# Allegro board Coral-Dev-Board-Mini-layout-Allegro.brd (continued)
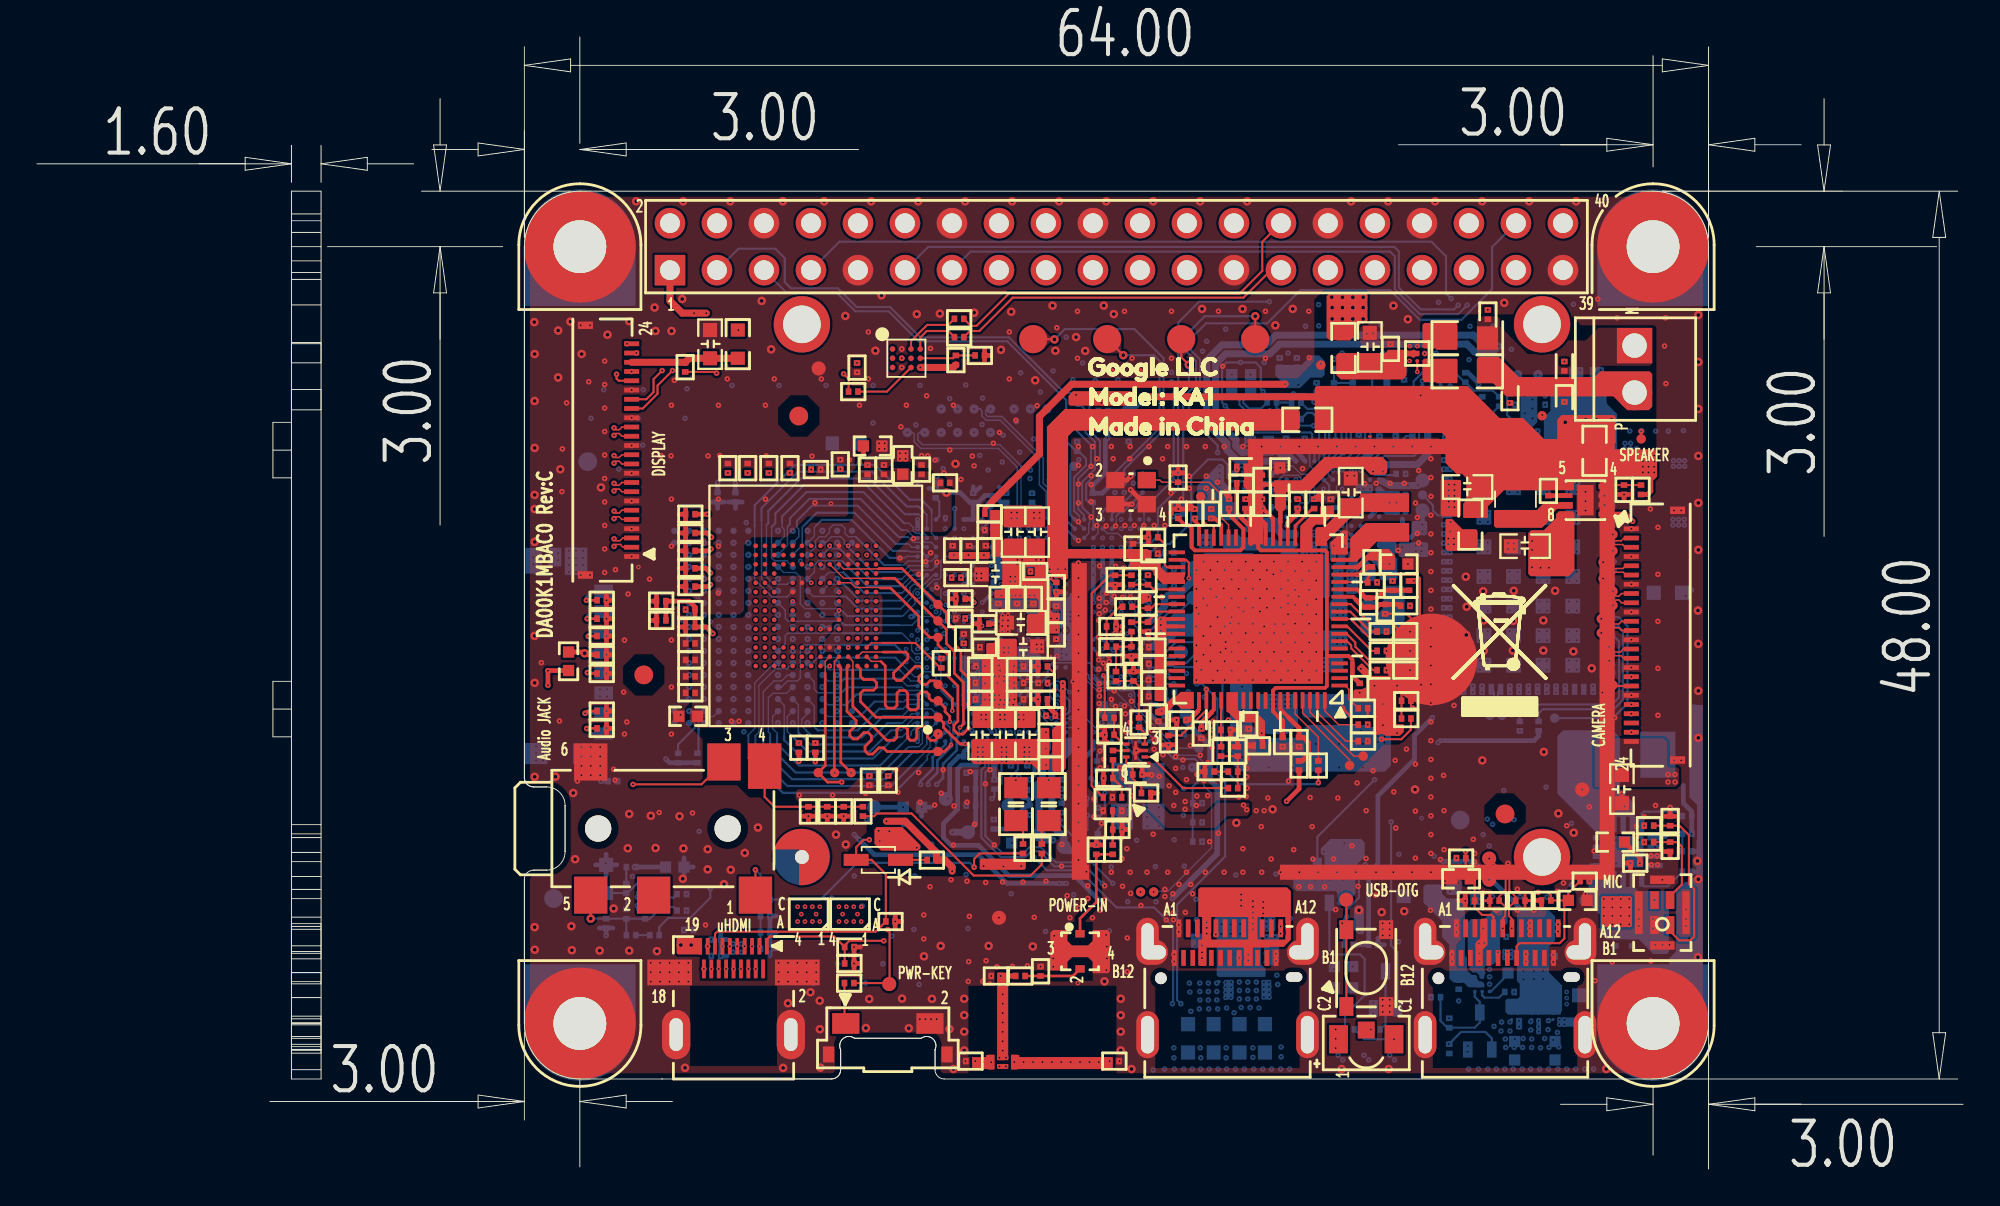
[diagram p0: board, top side]
## Routing (per net, layer and track width the routed paths; a pad name or vN(x,y) marks a point on that pad's centre or on a via; arc(x,y) is an arc through that point) (continued)
LOUT_N_RC: length 10.2
  L03_IN1 w0.089: v9(64.57,42.95) 64.87,42.65 65.71,42.65 66.11,43.05 69.18,43.05 73.53,43.05 v2(74.17,43.69)
LOUT_P: length 27.1
  L08_IN4 w0.102: v9(67.05,41.02) 66.77,41.3 65.38,41.3 62.82,38.73 62.82,30.35 62.62,30.14 62.62,29.54 62.17,29.09 62.17,28.09 60.98,26.9 60.14,26.9 59.62,27.43 58.19,27.43 57.76,27 57.76,26.74 57.26,26.24 56.92,26.24 56.79,26.37 56.51,26.37 56.46,26.32 55.79,26.32 v10(54.59,25.12)
  BOTTOM w0.114: v9(67.05,41.02) 66.99,41.08 C215.2 67,41.44 R30.2
LOUT_P_C: length 2.2
  BOTTOM w0.114: C215.1 66.16,41.12 65.5,41.12 65.2,41.42 65.2,41.56 R32.1
LOUT_P_R1: length 4.1
  BOTTOM w0.114: R30.1 68.64,41.11 69.01,41.11 69.83,40.28 69.83,38.88 69.54,38.58 U1.E1
LOUT_P_RC: length 9.4
  L03_IN1 w0.089: v9(65.59,42.95) 65.88,43.24 69.26,43.24 69.26,43.24 73.29,43.24 74.2,44.15 v2(74.2,44.49)
MIC_CLK: length 9.6
  TOP w0.114: U16.3 88.26,12.85 88.75,12.36 89.36,12.36 89.56,12.56 89.56,15.14 89.28,15.42 89.28,18.05 88.77,18.56 C106.1 R141.1
MIC_CLK_R0: length 38.5
  L03_IN1 w0.089: v2(86.86,18.56) 87.16,18.26 87.16,17.55 86.91,17.29 85.08,17.29 84.09,16.3 83.75,16.3 83.31,15.87 83.31,15.49 82.01,14.18 80.58,14.18 79.87,14.89 79.86,14.9 72.7,14.9 70.47,17.12 70.17,17.12 v6(69.9,17.39)
  L07_IN3 w0.084: v7(58.8,21.1) 58.83,21.1 59.08,20.85 64.21,20.85 67.43,17.62 69.67,17.62 v6(69.9,17.39)
  L08_IN4 w0.089: v7(58.8,21.1) 58.5,21.1 57.76,21.84 56.42,21.84 55.14,23.12 v10(55.09,23.12)
MIC_DAT: length 4.8
  TOP w0.114: R134.1 C114.1 88.64,17.67 88.9,17.42 88.9,15.39 88.26,14.76 U16.4
MIC_DAT_R0: length 37.2
  L03_IN1 w0.089: v2(86.86,17.67) 85.18,17.67 84.04,16.53 83.69,16.53 83.11,15.95 83.11,15.6 81.91,14.4 80.65,14.4 79.98,15.06 79.96,15.09 72.79,15.09 v6(70.46,17.42)
  L07_IN3 w0.084: v7(59.13,21.36) 59.41,21.08 64.24,21.08 67.49,17.83 70.05,17.83 v6(70.46,17.42)
  L08_IN4 w0.089: v7(59.13,21.36) 59.08,21.41 58.47,21.41 57.84,22.04 56.57,22.04 55.09,23.52 v10(55.09,23.62)
MICBIAS0: length 43.6
  TOP w0.254: C522.2 86.63,16.84 v2(86.63,16.54)
  L03_IN1 w0.254: v2(87.41,14.54) 87.43,14.55 87.43,15.66 86.67,16.42 86.67,16.43 86.63,16.47 v2(86.63,16.54) 86.6,16.5 85.48,16.5 83.67,14.7 83.24,14.7 82.25,13.71 80.36,13.71 79.66,14.4 78.32,14.4 78.06,14.14 77.7,14.14 77.45,14.4 72.19,14.4 71.7,14.88 67.87,14.88 66.96,15.79 64.75,15.79 63.4,14.45 61.28,14.45 60.73,15 60.73,16.85 v6(60.4,17.19)
  L07_IN3 w0.254: v6(60.4,17.19) 59.33,17.19 56.24,20.28 56.24,21.05 56.72,21.53 56.72,22.99 v10(56.59,23.12)
MICBIAS1: length 33.3
  L07_IN3 w0.254: v10(56.56,23.62) 56.23,23.29 56.23,22.95 56.36,22.82 56.36,21.9 v9(55.52,21.05) 55.52,20.51 55.51,20.5 55.51,20.45 53.54,18.49 48.56,18.49 43.89,13.82 36.41,13.82 35.95,13.36 34.28,13.36 33.73,13.9 33.73,14.88 v9(32.28,16.33)
  BOTTOM w0.254: R112.2 C521.2
MICBIAS1_R: length 0.9
  BOTTOM w0.114: R111.2 31.85,15.69 31.85,15.69 31.85,15.95 31.85,15.95 R112.1
MIPI_CSI_CLK_N: length 50.8
  TOP w0.081: v2(84.64,32.81) 84.98,32.47 85.71,32.47 85.85,32.61 J12.5
  L03_IN1 w0.071: v15(50.8,36.67) 51.12,36.67 51.18,36.72 51.18,37.74 54.1,40.66 75.79,40.66 76.17,40.28 81.4,40.28 85.5,36.18 85.5,32.79 85.12,32.41 84.6,32.41 84.55,32.46 84.55,32.72 v2(84.64,32.81)
  L08_IN4 w0.071: v10(53.09,33.62) 53.27,33.62 53.36,33.52 53.36,33.45 53.28,33.37 52.81,33.37 51.49,34.69 51.49,35.41 50.62,36.28 50.62,36.6 50.69,36.67 v15(50.8,36.67)
MIPI_CSI_CLK_P: length 50.8
  TOP w0.081: v2(84.64,31.92) 84.98,32.26 85.74,32.26 85.89,32.11 J12.6
  L03_IN1 w0.071: v2(84.64,31.92) 84.92,32.2 85.2,32.2 85.7,32.7 85.7,36.27 81.49,40.48 76.25,40.48 75.87,40.86 54.01,40.86 50.97,37.82 50.97,37.56 v15(50.8,37.23)
  L08_IN4 w0.071: v10(53.09,33.12) 53.06,33.15 53.04,33.17 52.72,33.17 51.28,34.61 51.28,35.33 50.41,36.2 50.41,36.84 v15(50.8,37.23)
MIPI_CSI_D0_N: length 45.7
  TOP w0.081: v2(85.17,34.31) 85.17,34.04 85.25,33.97 85.62,33.97 85.77,34.11 J12.2
  L03_IN1 w0.071: v2(85.17,34.31) 85.17,34.06 85.08,33.97 84.89,33.97 84.7,33.78 84.5,33.78 84.43,33.85 84.43,35.21 84.48,35.27 84.93,35.27 85.16,35.49 85.16,35.82 84.93,36.05 84.48,36.05 84.43,36.11 84.43,36.7 81.78,39.34 81.24,39.34 81.13,39.45 81.13,39.64 80.9,39.87 80.58,39.87 80.35,39.64 80.35,39.45 80.24,39.34 79.98,39.34 79.88,39.44 79.88,39.7 79.62,39.95 75.92,39.95 75.55,40.32 54.23,40.32 51.69,37.78 51.69,37.55 51.51,37.37 51.51,37.06 v15(51.9,36.67)
  L08_IN4 w0.071: v10(52.09,35.12) 52.01,35.19 52.01,35.81 51.72,36.1 51.72,36.5 v15(51.9,36.67)
MIPI_CSI_D0_P: length 45.8
  TOP w0.081: J12.3 85.84,33.61 85.69,33.76 85.25,33.76 85.17,33.69 v2(85.17,33.42)
  L03_IN1 w0.071: v2(85.17,33.42) 85.17,33.67 85.08,33.76 84.98,33.76 84.79,33.57 84.42,33.57 84.22,33.77 84.22,35.29 84.4,35.47 84.85,35.47 84.96,35.58 84.96,35.74 84.85,35.85 84.4,35.85 84.22,36.02 84.22,36.61 81.7,39.14 81.16,39.14 80.93,39.37 80.93,39.56 80.82,39.67 80.66,39.67 80.55,39.56 80.55,39.37 80.32,39.14 79.9,39.14 79.68,39.36 79.68,39.61 79.54,39.75 75.84,39.75 75.47,40.12 54.32,40.12 51.9,37.7 v15(51.9,37.23)
  L08_IN4 w0.071: v15(51.9,37.23) 51.52,36.85 51.52,36.02 51.81,35.73 51.81,35.05 52.09,34.77 v10(52.09,34.62)
MIPI_CSI_D1_N: length 45.9
  TOP w0.081: v2(85.17,31.24) 85.17,31.14 85.35,30.97 85.49,30.97 85.64,31.11 J12.8
  L03_IN1 w0.071: v2(85.17,31.24) 85.17,31.04 85.08,30.96 84.89,30.96 84.65,30.71 84.09,30.71 83.89,30.91 83.89,31.52 84.2,31.82 84.2,32.96 83.89,33.27 83.89,36.48 81.61,38.76 79.8,38.76 79.14,39.42 75.62,39.42 75.32,39.72 54.39,39.72 52.44,37.77 52.44,37.64 52.27,37.47 52.27,37.04 v15(52.64,36.67)
  L08_IN4 w0.071: v15(52.64,36.67) 52.56,36.67 52.47,36.58 52.47,36.1 52.54,36.03 52.54,34.66 v10(52.59,34.62)
MIPI_CSI_D1_P: length 46
  TOP w0.081: v2(85.17,30.47) 85.17,30.59 85.35,30.76 85.49,30.76 85.64,30.61 J12.9
  L03_IN1 w0.071: v2(85.17,30.47) 85.17,30.66 85.08,30.75 84.98,30.75 84.73,30.51 84,30.51 83.69,30.82 83.69,31.6 83.99,31.91 83.99,32.88 83.69,33.18 83.69,36.39 81.53,38.55 79.72,38.55 79.06,39.21 75.54,39.21 75.23,39.52 54.48,39.52 52.64,37.68 v15(52.64,37.23)
  L08_IN4 w0.071: v15(52.64,37.23) 52.27,36.85 52.27,36.01 52.34,35.94 52.34,34.37 v10(52.59,34.12)
MIPI_CSI_D2_N: length 45.9
  TOP w0.081: J12.11 85.64,29.61 85.49,29.47 84.82,29.47 v2(84.54,29.75)
  L03_IN1 w0.071: v15(53.39,36.67) 53.02,37.04 53.02,37.39 53.19,37.56 53.19,37.74 54.61,39.16 75.09,39.16 75.37,38.88 77.75,38.88 78.03,38.6 78.03,38.33 78.19,38.17 78.3,38.17 78.41,38.28 78.41,38.6 78.64,38.83 78.96,38.83 79.19,38.6 79.19,38.28 79.3,38.17 80.95,38.17 83.34,35.78 83.34,30.13 84.01,29.47 84.45,29.47 84.54,29.55 v2(84.54,29.75)
  L08_IN4 w0.071: v10(53.09,34.62) 53.04,34.67 53.04,34.99 53.11,35.06 53.11,35.88 53.22,35.99 53.22,36.5 v15(53.39,36.67)
MIPI_CSI_D2_P: length 46
  TOP w0.081: J12.12 85.64,29.11 85.49,29.26 84.82,29.26 v2(84.54,28.98)
  L03_IN1 w0.071: v2(84.54,28.98) 84.54,29.17 84.45,29.26 83.93,29.26 83.14,30.05 83.14,35.7 80.87,37.97 79.22,37.97 78.99,38.2 78.99,38.52 78.88,38.63 78.72,38.63 78.61,38.52 78.61,38.2 78.38,37.97 78.11,37.97 77.83,38.25 77.83,38.52 77.67,38.68 75.28,38.68 75,38.96 54.69,38.96 53.39,37.66 v15(53.39,37.23)
  L08_IN4 w0.071: v10(53.09,34.12) 52.84,34.37 52.84,35.08 52.9,35.14 52.9,35.96 53.02,36.08 53.02,36.85 v15(53.39,37.23)
MIPI_CSI_D3_N: length 46
  TOP w0.081: J12.14 85.74,28.11 85.58,27.95 85.16,27.95 84.97,28.14 v2(84.97,28.24)
  L03_IN1 w0.071: v2(84.97,28.24) 84.97,28.04 84.88,27.96 84.15,27.96 82.8,29.31 82.8,33.88 82.5,34.18 81.76,34.18 81.02,34.92 81.02,35.45 81.23,35.66 81.56,35.66 81.78,35.89 81.78,36.25 81.51,36.52 81.11,36.52 80.99,36.63 80.99,37.06 80.54,37.51 78.1,37.51 77.26,38.35 75.09,38.35 74.88,38.55 54.75,38.55 53.94,37.74 53.94,37.56 53.77,37.38 53.77,37.04 v15(54.14,36.67)
  L08_IN4 w0.071: v15(54.14,36.67) 53.97,36.5 53.97,35.88 53.64,35.55 53.64,34.88 53.54,34.78 53.54,34.67 v10(53.59,34.62)
MIPI_CSI_D3_P: length 46.1
  TOP w0.081: v2(84.97,27.47) 84.97,27.59 85.13,27.75 85.61,27.75 85.75,27.61 J12.15
  L03_IN1 w0.071: v2(84.97,27.47) 84.97,27.66 84.88,27.75 84.07,27.75 82.6,29.22 82.6,33.79 82.41,33.98 81.67,33.98 80.82,34.84 80.82,35.54 81.14,35.86 81.47,35.86 81.58,35.97 81.58,36.17 81.43,36.32 81.02,36.32 80.79,36.55 80.79,36.97 80.46,37.3 78.02,37.3 77.18,38.15 75,38.15 74.8,38.35 54.83,38.35 54.14,37.66 v15(54.14,37.23)
  L08_IN4 w0.071: v10(53.59,34.12) 53.34,34.37 53.34,34.87 53.44,34.97 53.44,35.63 53.77,35.96 53.77,36.85 v15(54.14,37.23)
MRG_CLK: length 51.8
  L03_IN1 w0.089: J6.12 48,50.05 48,47.55 48.41,47.14 66.55,47.14 67.63,46.05 67.99,46.05 v15(68.73,45.31)
  L08_IN4 w0.089: v15(68.73,45.31) 68.73,44.74 67.12,43.13 67.12,42.18 67.92,41.38 67.92,40.66 67.38,40.11 65.59,40.11 64.71,39.24 64.71,36.55 64.18,36.02 64.18,30.61 64.32,30.48 64.32,28.47 62.9,27.06 v9(62.82,27.06)
  BOTTOM w0.076: 60.27,26.87 59.84,26.87 U6.AE17
  BOTTOM w0.114: 60.27,26.87 60.56,26.87 60.89,27.21 61.4,27.21 61.47,27.13 62.74,27.13 v9(62.82,27.06)
MRG_DI: length 45
  L08_IN4 w0.089: v9(63.81,38.73) 63.61,38.54 63.61,30.37 63.64,30.34 63.64,29.73 62.76,28.84 62.76,27.44 v9(62.12,26.79)
  BOTTOM w0.114: J6.38 78.64,49.85 78.64,47.57 76.99,45.92 74.73,45.92 73.12,47.52 68.28,47.52 66.48,45.72 63.18,45.72 62.38,44.93 62.38,44.24 62.85,43.77 62.85,42.12 62.26,41.52 62.26,40.67 63.81,39.12 v9(63.81,38.73) ; v9(62.12,26.79) 62.04,26.87 61.41,26.87 61.29,26.99 60.98,26.99 60.61,26.62 U6.AF18
MRG_DO: length 42.9
  L03_IN1 w0.089: v15(68.14,44.71) 68.14,44.7 68.56,44.29 71.81,44.29 74.7,47.18 77.73,47.18 78.4,47.85 78.4,49.15 79.13,49.88 81.21,49.88 J6.40
  L08_IN4 w0.089: v15(68.14,44.71) 66.93,43.5 66.93,42.1 67.73,41.3 67.73,40.73 67.3,40.3 65.51,40.3 64.44,39.24 64.44,36.55 63.99,36.1 63.99,30.53 64.02,30.5 64.02,28.71 v9(64.02,28.7)
  BOTTOM w0.076: U6.AD16 59.34,27.87 59.8,27.87
  BOTTOM w0.114: v9(64.02,28.7) 63,28.7 62.79,28.49 61.55,28.49 60.91,27.85 59.81,27.85 59.8,27.87
MRG_SYNC: length 35.5
  L03_IN1 w0.089: v15(67.48,44.71) 67.48,44.74 67.85,45.1 68.3,45.1 68.86,44.55 71.71,44.55 74.61,47.45 76.24,47.45 J6.35
  L08_IN4 w0.089: v10(63.03,28.27) 63.03,28.85 63.83,29.65 63.83,30.42 63.8,30.45 63.8,36.18 64.23,36.6 64.23,39.29 65.43,40.5 67.22,40.5 67.54,40.81 67.54,41.22 66.74,42.02 66.74,43.97 v15(67.48,44.71)
  BOTTOM w0.114: U6.AF17 60.5,27.12 60.8,27.42 61.49,27.42 61.55,27.36 62.11,27.36 63.02,28.27 v10(63.03,28.27)
MT7658_AVDD18: length 11
  TOP w0.203: 67.6,34.74 U8.25
  TOP w0.254: 67.6,34.74 67.6,34.93 68.13,35.47 v2(68.13,35.71)
  TOP w0.305: R3.2 v2(74.42,31.8)
  L03_IN1 w0.305: v2(74.42,31.8) 74.42,33.5 72.21,35.71 v2(68.13,35.71)
MT7658_AVDD22: length 23.9
  TOP w0.203: U8.27 66.8,34.82 ; 62.73,24.75 62.73,24.79 62.8,24.85 U8.59 ; U8.34 64,34.82 63.65,35.17 v6(63.46,35.17) ; v6(62.57,35.17) 62.57,35.03 62.8,34.8 U8.37
  TOP w0.229: 66.8,34.82 66.8,35.16 v6(66.25,35.71)
  TOP w0.254: 62.73,24.75 62.26,24.28 v4(62.1,24.28)
  L05_POW w0.305: v4(62.1,24.28) 62.15,24.23 65.1,24.23 65.4,24.53 65.4,28.8 v6(65.22,28.98)
  L07_IN3 w0.305: 65.96,35.22 65.96,34.23 64.49,32.76 64.49,30.63 65.22,29.89 v6(65.22,28.98) ; v6(62.57,35.17) v6(63.46,35.17) 65.63,35.17
MT7658_BGF_INT: length 21.2
  L07_IN3 w0.084: v10(59.09,30.62) 59.33,30.62 59.77,31.06 61.02,31.06 61.35,30.74 61.35,29.1 61.73,28.72 61.73,27.95 63.16,26.52 63.16,25.89 62.96,25.68 62.96,24.2 63.84,23.31 67,23.31 67.62,22.7 71.99,22.7 72.26,22.98 72.26,23.68 v6(71.92,24.02)
MT7658_GPIO0: length 26.6
  L07_IN3 w0.084: v10(57.59,35.12) 58.58,35.12 59.39,34.31 59.39,33.89 59.89,33.39 59.89,32.94 59.44,32.48 58.95,32.48 58.5,32.03 58.5,31.2 58.83,30.87 59.2,30.87 59.58,31.25 61.1,31.25 61.55,30.79 61.55,29.16 61.92,28.8 61.92,28.02 63.36,26.59 63.36,25.81 63.14,25.59 63.14,24.28 63.92,23.5 67.44,23.5 68.02,22.92 71.7,22.92 v6(71.92,23.13)
MT7658_PMU_EN: length 23.8
  TOP w0.114: R63.2 74.25,23.76 73.73,23.24 v6(72.67,23.24)
  L07_IN3 w0.084: v10(58.59,30.62) 58.73,30.62 59,30.35 59.39,30.35 59.92,30.88 60.95,30.88 61.14,30.69 61.14,29.05 61.55,28.64 61.55,27.87 62.98,26.44 62.98,25.96 62.77,25.76 62.77,24.12 63.76,23.13 66.81,23.13 67.46,22.47 72.09,22.47 72.67,23.05 v6(72.67,23.24)
MT7658_WIFI_INT: length 17.7
  TOP w0.114: v6(70.56,24.91) 71.04,24.43 71.83,24.43 71.92,24.52 R61.2
  L07_IN3 w0.084: v6(70.56,24.91) 69.2,26.27 66.24,26.27 65.81,26.7 63.5,26.7 62.1,28.1 62.1,28.87 61.74,29.24 61.74,30.87 61.18,31.43 59.4,31.43 v10(59.09,31.12)
OTG_ID: length 43.7
  L08_IN4 w0.089: v9(53.87,16.86) 53.34,17.39 53.34,20.39 52.05,21.68 52.05,22.68 v10(51.79,22.94) ; v9(61.36,8.94) 61.36,8.56 62.15,7.77 66.8,7.77 67.99,8.96 69.74,8.96 71.45,7.25 73.05,7.25 74.47,8.68 75.42,8.68 75.95,8.15 75.95,7.1 v9(76.3,6.75)
  BOTTOM w0.076: v10(51.79,22.94) 51.79,23.26 51.84,23.31 51.84,23.72 51.59,23.97 U6.J23
  BOTTOM w0.114: Q1.1 78.62,7.07 78.28,7.41 76.96,7.41 v9(76.3,6.75) ; v9(61.36,8.94) 61.4,8.97 61.4,13.12 60.38,14.14 58.35,14.14 56.33,16.15 54.58,16.15 v9(53.87,16.86)
OTG_ID_SELECT: length 42.7
  L07_IN3 w0.084: v8(60.83,30.58) 60.95,30.46 60.95,28.94 61.36,28.53 61.36,27.79 62.68,26.47 v9(62.68,26.23)
  L08_IN4 w0.089: v9(61.82,8.94) 61.82,8.37 62.23,7.96 66.7,7.96 67.9,9.16 69.85,9.16 71.11,7.9 73.25,7.9 74.32,8.96 75.51,8.96 v9(76.32,8.15)
  L09_IN5 w0.114: v8(60.83,30.58) 60.65,30.58 60.61,30.62 v9(60.11,30.62)
  BOTTOM w0.114: v9(61.82,8.94) 61.62,9.14 61.62,14.3 64.21,16.89 64.21,20.95 63.79,21.37 63.79,25.4 62.96,26.23 v9(62.68,26.23) ; U6.AE10 v9(60.11,30.62)
PANEL_PWM: length 34.6
  L08_IN4 w0.089: v7(32.14,43.12) 32.58,42.68 34.58,42.68 35.42,43.52 37.17,43.52 37.62,43.07 52.2,43.07 54.18,41.09 v9(54.58,41.09) 55.55,41.09 56.99,39.65 56.99,34.54 55.85,33.4 55.85,32.88 v10(55.59,32.62)
PMU_EN: length 12.7
  TOP w0.114: R63.1 R72.1 73.75,25.64 74.74,26.63 74.74,31.94 74.54,32.13 72.08,32.13 71.92,31.96 C269.1 71.9,31.74 U8.15
PMU_FSOURCE: length 5.9
  BOTTOM w0.076: 67.26,37.41 67.36,37.51 68.14,37.51 68.3,37.36 68.3,37.1 68.37,37.03 68.63,37.03 68.78,36.88 68.78,36.11 68.68,36.01 68.28,36.01 U1.B6
  BOTTOM w0.114: 67.26,37.41 66.98,37.13 66.06,37.13 65.6,36.67 R19.2
PMU_VBAT_VPROC:
  vias: v8(68.38,32.36) v8(68.38,32.06) v8(68.38,31.35) v8(68.38,31.04) v8(68.43,30.26) v8(68.43,29.95) v8(68.68,32.36) v8(68.68,32.06) v8(68.68,31.35) v8(68.68,31.04) v8(68.73,30.26) v8(68.73,29.95) v8(69.04,33.77) v8(69.04,33.27) v9(68.38,32.36) v9(68.38,32.06) v9(68.38,31.35) v9(68.38,31.04) v9(68.43,30.26) v9(68.43,29.95) v9(68.68,32.36) v9(68.68,32.06) v9(68.68,31.35) v9(68.68,31.04) v9(68.73,30.26) v9(68.73,29.95) v9(69.04,33.77) v9(69.04,33.27)
PMU_VBAT_VSYS:
  vias: v8(70.28,30.26) v8(70.28,29.95) v8(70.42,32.29) v8(70.42,31.27) v8(70.54,33.27) v8(70.54,32.96) v8(70.59,30.26) v8(70.59,29.95) v9(70.28,30.26) v9(70.28,29.95) v9(70.42,32.29) v9(70.42,31.27) v9(70.54,33.27) v9(70.54,32.96) v9(70.59,30.26) v9(70.59,29.95)
PUSH_BUTTON_GPIO: length 33.1
  TOP w0.114: TP107.1 70.76,14.55 SW2.2 SW2.1
  L05_POW w0.114: v5(70.4,13.65) 70.4,13.43 v4(70.54,13.29)
  L06_GND2 w0.114: v9(70.79,13.65) v5(70.4,13.65)
  L07_IN3 w0.084: v9(61.44,26.23) 61.44,25.37 61.7,25.11 61.7,23.88 63.38,22.2 66.22,22.2 67.05,21.37 70.11,21.37 71.3,20.19 71.3,17.13 71.78,16.65 v9(71.78,16.45)
  BOTTOM w0.076: U6.AC15 58.59,27.15 59.38,26.37 60.57,26.37
  BOTTOM w0.114: v9(71.78,16.45) 71.45,16.12 71.45,14.68 70.79,14.02 v9(70.79,13.65) 70.65,13.51 R54.1 ; v9(61.44,26.23) 60.71,26.23 60.57,26.37
PWRAP.INT: length 24.2
  L08_IN4 w0.089: v10(67.54,36.77) 67.27,36.49 67.27,35.36 66.96,35.05 66.96,33.56 67.05,33.47 67.05,29.32 66.03,28.29 66.03,26.61 62.41,22.99 61.89,22.99 61.16,22.26 61.16,21.93 59.22,20 57.62,20 57.39,20.23 56.92,20.23 56.75,20.06 v9(56.75,20.03)
  BOTTOM w0.114: v9(56.75,20.03) 56.77,20.01 56.77,19.65 56.66,19.54 R127.1
PWRAP.SPI_CK: length 24.8
  L08_IN4 w0.089: v10(68.13,36.79) 67.91,37.02 67.44,37.02 66.98,36.56 66.98,35.53 66.71,35.27 66.71,29.46 65.69,28.43 65.69,26.75 62.27,23.33 61.75,23.33 60.82,22.4 60.82,22.08 59.08,20.34 v9(57.71,20.34)
  BOTTOM w0.114: R131.1 57.38,19.01 57.57,19.21 57.57,19.21 57.67,19.3 57.67,19.31 57.71,19.35 57.71,20.34 v9(57.71,20.34) ; U1.C5 v10(68.13,36.79)
PWRAP.SPI_CSN: length 25.3
  L08_IN4 w0.089: v9(55.38,19.27) 55.85,18.79 57.32,18.79 57.64,19.11 59.23,19.11 61.73,21.62 61.73,22.02 62.13,22.42 62.65,22.42 66.6,26.37 66.6,28.05 67.63,29.08 67.63,33.92 67.79,34.08 67.79,35.18 68.04,35.43 v10(68.04,36.27)
PWRAP.SPI_MI: length 24.7
  L08_IN4 w0.089: v10(67.71,36.1) 67.71,35.33 67.29,34.91 67.29,33.73 67.44,33.59 67.44,29.16 66.41,28.13 66.41,26.45 62.57,22.61 62.05,22.61 61.54,22.1 61.54,21.7 59.14,19.3 57.56,19.3 57.38,19.12 v9(56.77,19.12)
  BOTTOM w0.114: v9(56.77,19.12) 56.77,18.35 56.66,18.23 R128.1 ; U1.A5 v10(67.71,36.1)
PWRAP.SPI_MO: length 23.5
  L08_IN4 w0.089: v10(68.54,35.77) 68.29,35.52 68.29,34.17 67.82,33.7 67.82,29 66.79,27.98 66.79,26.29 62.73,22.23 62.21,22.23 61.92,21.94 61.92,21.43 59.23,18.74 v9(57.74,18.74)
  BOTTOM w0.114: v9(57.74,18.74) 57.33,18.33 R129.1
PWRAP.SRCLKEN: length 26.1
  L08_IN4 w0.089: v10(69.83,36.57) 69.78,36.52 67.77,36.52 67.43,36.18 67.43,35.29 67.13,34.98 67.13,33.66 67.24,33.54 67.24,29.24 66.22,28.21 66.22,26.53 62.49,22.8 61.97,22.8 61.35,22.18 61.35,21.84 59.31,19.81 57.51,19.81 57.38,19.93 v9(57.2,19.93)
  BOTTOM w0.114: R132.1 57.28,20.01 v9(57.2,19.93) ; v10(69.83,36.57) 69.83,36.97 U1.E3
PWRKEY: length 44.2
  TOP w0.114: v6(45.97,12.95) 45.97,12.93 46.08,12.83 46.08,10.02 TP58.1 46.01,10.05 R137.2
  L07_IN3 w0.084: v7(54.61,18.42) 54.4,18.21 49.91,18.21 45.97,14.27 v6(45.97,12.95)
  L08_IN4 w0.089: v7(54.61,18.42) 59.22,18.42 62.11,21.31 62.11,21.86 62.29,22.04 62.81,22.04 66.98,26.21 66.98,27.9 68.01,28.92 68.01,33.62 68.65,34.27 71.54,34.27 v10(71.54,34.27)
RESETB: length 12.1
  L07_IN3 w0.084: v10(68.55,34.82) 67.26,36.11 66.14,36.11 65.71,35.68 61.92,35.68 61.51,35.27 v9(61.41,35.27)
  BOTTOM w0.076: v10(68.55,34.82) 68.85,34.52 70.43,34.52 70.93,34.02 71.29,34.02 U1.J10
  BOTTOM w0.114: v9(61.41,35.27) 61.43,35.27 61.56,35.4 R161.1
RESETB_R: length 32.5
  TOP w0.114: TP53.1 v17(65.84,46.11)
  L07_IN3 w0.084: v9(61.41,35.93) 60.14,35.93 59.77,35.55 v7(59.54,35.55)
  L08_IN4 w0.089: v10(53.59,24.62) 53.59,24.79 55.44,26.64 56.32,26.64 56.38,26.7 56.45,26.7 57.15,27.4 57.15,28.55 58.11,29.5 58.42,29.5 58.62,29.7 58.75,29.7 59.01,29.96 59.01,30.17 59.84,31 59.84,31.14 60,31.3 60,31.79 59.86,31.93 59.86,32.46 59.29,33.03 59.29,33.91 59.38,34 59.38,35.4 v7(59.54,35.55)
  BOTTOM w0.114: v9(61.41,35.93) 61.43,35.93 61.46,35.91 61.94,35.91 R161.2 61.95,41.72 62.64,42.41 62.64,43.68 62.1,44.22 62.1,45.1 63.11,46.11 v17(65.84,46.11)
REXTDN: length 1.3
  BOTTOM w0.114: U6.C1 48.76,35.29 48.76,36.09 R16.1
RFIP_BT: length 2.5
  TOP w0.114: U8.62 64,24.81 63.99,24.8 C169.2 L9.1
RFIP_BT_CO: length 2.6
  TOP w0.114: C187.1 L18.2 L15.2 L9.2
RTC32K_1V8: length 31.2
  L08_IN4 w0.089: v10(69.54,36.77) 68.79,36.77 68.26,37.29 67.24,37.29 66.72,36.77 66.72,35.74 66.37,35.39 66.37,29.89 v9(66.14,29.66) 65.34,28.87 65.34,26.89 62.13,23.67 61.61,23.67 60.09,22.16 58.48,22.16 57.83,22.8 56.52,22.8 55.81,23.51 55.81,23.76 55.22,24.35 v10(54.82,24.35)
  BOTTOM w0.114: v10(54.82,24.35) 53.95,25.22 53.95,25.75 53.7,26 53.47,26 U6.M20 ; v9(66.14,29.66) 66.29,29.51 TP59.1
SD_CARD.CLK: length 39.5
  TOP w0.145: C99.1 29.84,26.79 29.8,26.84 v9(29.75,26.84)
  L07_IN3 w0.107: v10(57.09,30.12) 57.09,29.73 56.81,29.46 56.81,27.75 56.23,27.17 54.34,27.17 54.26,27.09 53.24,27.09 52.71,26.57 52.71,25.15 51,23.44 49.88,23.44 49.53,23.09 47.09,23.09 46.89,23.29 33.16,23.29 32.89,23.56 32.89,23.74 33.11,23.96 33.11,24.14 32.98,24.26 32.81,24.26 32.58,24.04 32.41,24.04 32.28,24.17 32.28,24.34 32.5,24.57 32.5,24.74 32.38,24.87 32.2,24.87 31.98,24.65 31.8,24.65 31.68,24.77 31.68,24.95 31.9,25.17 31.9,25.35 31.78,25.47 31.6,25.47 31.38,25.25 31.2,25.25 31.08,25.37 31.08,25.55 31.3,25.77 31.3,25.95 31.17,26.07 31,26.07 30.77,25.85 30.6,25.85 30.47,25.98 30.47,26.15 30.69,26.38 30.69,26.55 30.57,26.68 30.39,26.68 30.17,26.46 29.99,26.46 29.75,26.7 v9(29.75,26.84)
  BOTTOM w0.145: v9(29.75,26.84) J5.5
SD_CARD.CMD: length 38.6
  TOP w0.145: C105.1 29.81,28.82 v9(29.8,28.8)
  L07_IN3 w0.107: v10(57.59,30.12) 57.59,29.97 57.13,29.51 57.13,28.63 57.02,28.52 57.02,27.69 56.61,27.28 56.61,27.12 56.44,26.95 56.03,26.95 55.51,26.43 53.95,26.43 53.09,25.57 53.09,25.06 50.63,22.6 46.49,22.6 46.29,22.8 32.96,22.8 29.21,26.55 29.21,28.21 v9(29.8,28.8)
  BOTTOM w0.145: J5.3 29.94,29.04 29.8,28.89 v9(29.8,28.8)
SD_CARD.DAT0: length 40
  TOP w0.145: C95.1 29.74,24.76 v9(29.62,24.64)
  L07_IN3 w0.107: v10(60.09,30.12) 59.79,29.81 59.57,29.81 57.91,28.15 57.91,26.58 57.53,26.2 57.15,26.2 56.81,25.86 56.72,25.86 56.72,25.86 56.51,25.86 56.51,25.86 56.21,25.86 56.2,25.87 55.98,25.87 55.81,25.7 54.28,25.7 53.9,25.32 53.9,24.35 53.9,24.27 50.75,21.12 49.79,21.12 49.45,21.46 45.7,21.46 45.42,21.74 42.01,21.74 41.73,21.46 31.6,21.46 29.4,23.65 29.4,24.42 v9(29.62,24.64)
  BOTTOM w0.145: v9(29.62,24.64) J5.7
SD_CARD.DAT1: length 39
  TOP w0.145: C24.1 29.72,23.82 v9(29.71,23.82)
  L07_IN3 w0.107: v9(29.71,23.82) 29.71,23.71 29.98,23.45 30.15,23.45 30.36,23.66 30.54,23.66 30.67,23.53 30.67,23.36 30.45,23.14 30.45,22.97 30.58,22.84 30.76,22.84 30.97,23.05 31.14,23.05 31.27,22.93 31.27,22.75 31.06,22.54 31.06,22.36 31.61,21.81 41.58,21.81 41.76,21.99 45.82,21.99 45.99,21.82 51.08,21.82 53.72,24.46 53.72,25.39 54.21,25.88 55.73,25.88 56.24,26.39 57.36,26.39 57.73,26.76 57.73,28.22 57.84,28.34 57.84,28.37 v10(59.59,30.12)
  BOTTOM w0.145: J5.8 29.99,23.54 v9(29.71,23.82)
SD_CARD.DAT2: length 43
  TOP w0.145: C23.1 v9(29.69,30.75)
  L07_IN3 w0.107: v10(58.59,30.12) 57.5,29.03 57.5,28.48 57.38,28.37 57.38,27.54 56.97,27.13 56.97,26.97 56.59,26.59 56.18,26.59 55.66,26.07 54.12,26.07 53.52,25.47 53.52,24.69 50.91,22.08 46.28,22.08 46.11,22.25 32.73,22.25 28.69,26.3 28.69,29.75 v9(29.69,30.75)
  BOTTOM w0.145: v9(29.69,30.75) 29.69,30.91 30.02,31.24 J5.1
SD_CARD.DAT3: length 40.8
  TOP w0.145: C22.1 29.75,29.75 29.75,29.75 v9(29.73,29.75)
  L07_IN3 w0.107: v9(29.73,29.75) 29.68,29.75 28.95,29.02 28.95,26.44 32.87,22.52 46.2,22.52 46.38,22.34 50.75,22.34 53.29,24.88 53.29,25.5 54.04,26.25 55.58,26.25 56.1,26.77 56.52,26.77 56.79,27.04 56.79,27.21 57.2,27.62 57.2,28.44 57.31,28.56 57.31,29.34 v10(58.09,30.12)
  BOTTOM w0.145: v9(29.73,29.75) 29.75,29.76 29.75,29.93 29.96,30.14 J5.2
SDIO_CLK: length 2.6
  TOP w0.114: U8.9 70.81,29.34 72.14,28.01 R17.1
SDIO_CMD: length 2.5
  TOP w0.114: R12.1 72.06,29.05 70.97,30.14 U8.11
SDIO_DAT0: length 2.8
  TOP w0.114: R99.1 72.21,26.97 71.02,28.16 71.02,28.32 70.8,28.54 U8.7
SDIO_DAT1: length 4.2
  TOP w0.114: U8.8 70.78,28.94 71.25,28.47 71.25,28.24 72.01,27.48 73.19,27.48 R27.1
SDIO_DAT2: length 4
  TOP w0.114: R13.1 73.16,28.54 72.19,28.54 70.99,29.74 U8.10
SDIO_DAT3: length 3.9
  TOP w0.114: U8.12 71.01,30.54 72.04,29.51 73.24,29.51 R11.1
SOC_FSOURCE_P: length 0.8
  L05_POW w0.254: v19(51.79,33.24) v5(52.17,33.24)
  L06_GND2 w0.254: v5(52.17,33.24) 52.14,33.22 v10(52.14,32.86)
SOC_TESTMODE: length 5.8
  BOTTOM w0.114: U6.W1 56.59,35.35 56.27,35.67 56.27,37.31 56.96,38.01 56.96,39.15 56.21,39.9 R22.1
SPI_3P3.SPI_CLK: length 24.6
  L07_IN3 w0.084: v7(59.5,46.14) 59.69,46.14 J6.23
  L08_IN4 w0.089: v7(59.5,46.14) 60.58,45.06 60.58,42.79 60.78,42.59 60.78,36.75 60.56,36.53 60.56,35.13 60.56,35.12 60.56,32.17 60.66,32.06 60.66,31.03 60.5,30.87 60.5,29.95 60.26,29.71 60.03,29.71 59.52,29.2 58.82,29.2 58.5,28.88 v10(58.35,28.88)
  BOTTOM w0.114: v10(58.35,28.88) 57.35,28.88 U6.Y14
SPI_3P3.SPI_CSB: length 30
  L08_IN4 w0.089: v10(58.09,28.62) 58.23,28.62 58.48,28.37 58.73,28.37 58.89,28.53 59.16,28.53 59.25,28.62 60.19,28.62 60.24,28.67 60.66,28.67 60.91,28.92 60.91,29.2 61.67,29.96 61.67,32.15 61.27,32.56 61.27,34.14 61.89,34.77 61.89,36.13 61.76,36.27 61.76,42.91 61.5,43.17 61.5,45.5 59.46,47.53 58.95,47.53 58.64,47.84 58.64,49 59.54,49.91 60.92,49.91 J6.24
SPI_3P3.SPI_MI: length 24.7
  L08_IN4 w0.089: J6.21 61.88,46.33 61.88,43.32 62.21,42.99 62.21,39.16 62.21,36.36 62.28,36.29 62.28,34.61 61.65,33.99 61.65,32.71 62.05,32.31 62.05,29.55 61.74,29.24 61.74,28.63 61.04,27.93 59.28,27.93 v10(59.09,28.12)
SPI_3P3.SPI_MO: length 23.5
  L08_IN4 w0.089: v10(58.93,28.94) 59.02,29.04 59.59,29.04 60.09,29.54 60.33,29.54 61.1,30.31 61.1,31.91 60.72,32.29 60.72,34.41 60.9,34.59 60.9,36.39 61.12,36.61 61.12,42.73 60.92,42.93 60.92,45.2 59.17,46.95 58.71,46.95 57.95,47.72 J6.19
  BOTTOM w0.114: v10(58.93,28.94) 59.09,29.11 U6.AD13
SPK_N_R1: length 27.9
  L03_IN1 w0.381: v15(79,43.91) 79,44.96 78.41,45.55 v2(78.41,46.45)
  L08_IN4 w0.381: v15(79,43.91) v9(79,44.49)
  BOTTOM w0.254: U1.B1 68.04,38.27 67.71,38.6 67.17,38.6 67.03,38.75 66.75,38.75
  BOTTOM w0.381: v9(79,44.49) 78.68,44.17 77.7,44.17 77.28,44.6 67.15,44.6 66.63,44.08 66.23,44.08 64.25,44.08 63.7,43.53 63.7,40.52 64.79,39.43 64.79,39.08 65.12,38.75 66.75,38.75
SPK_N_R2: length 1.4
  TOP w0.114: U17.A3 75.61,45.11 76.19,45.11
SPK_P_R1: length 28.2
  L03_IN1 w0.381: v15(78.05,44.1) 78.05,42.96 v2(79.59,41.43)
  L08_IN4 w0.381: v15(78.05,44.1) v9(78.05,44.66)
  BOTTOM w0.254: 66.93,38.27 U1.A1
  BOTTOM w0.381: 66.93,38.27 64.92,38.27 64.31,38.88 64.31,39.22 63.22,40.32 63.22,43.73 64.05,44.56 66.43,44.56 66.95,45.08 77.63,45.08 v9(78.05,44.66)
